# Altium PCB GD2.PcbDoc (part 2 of 2) (continued)
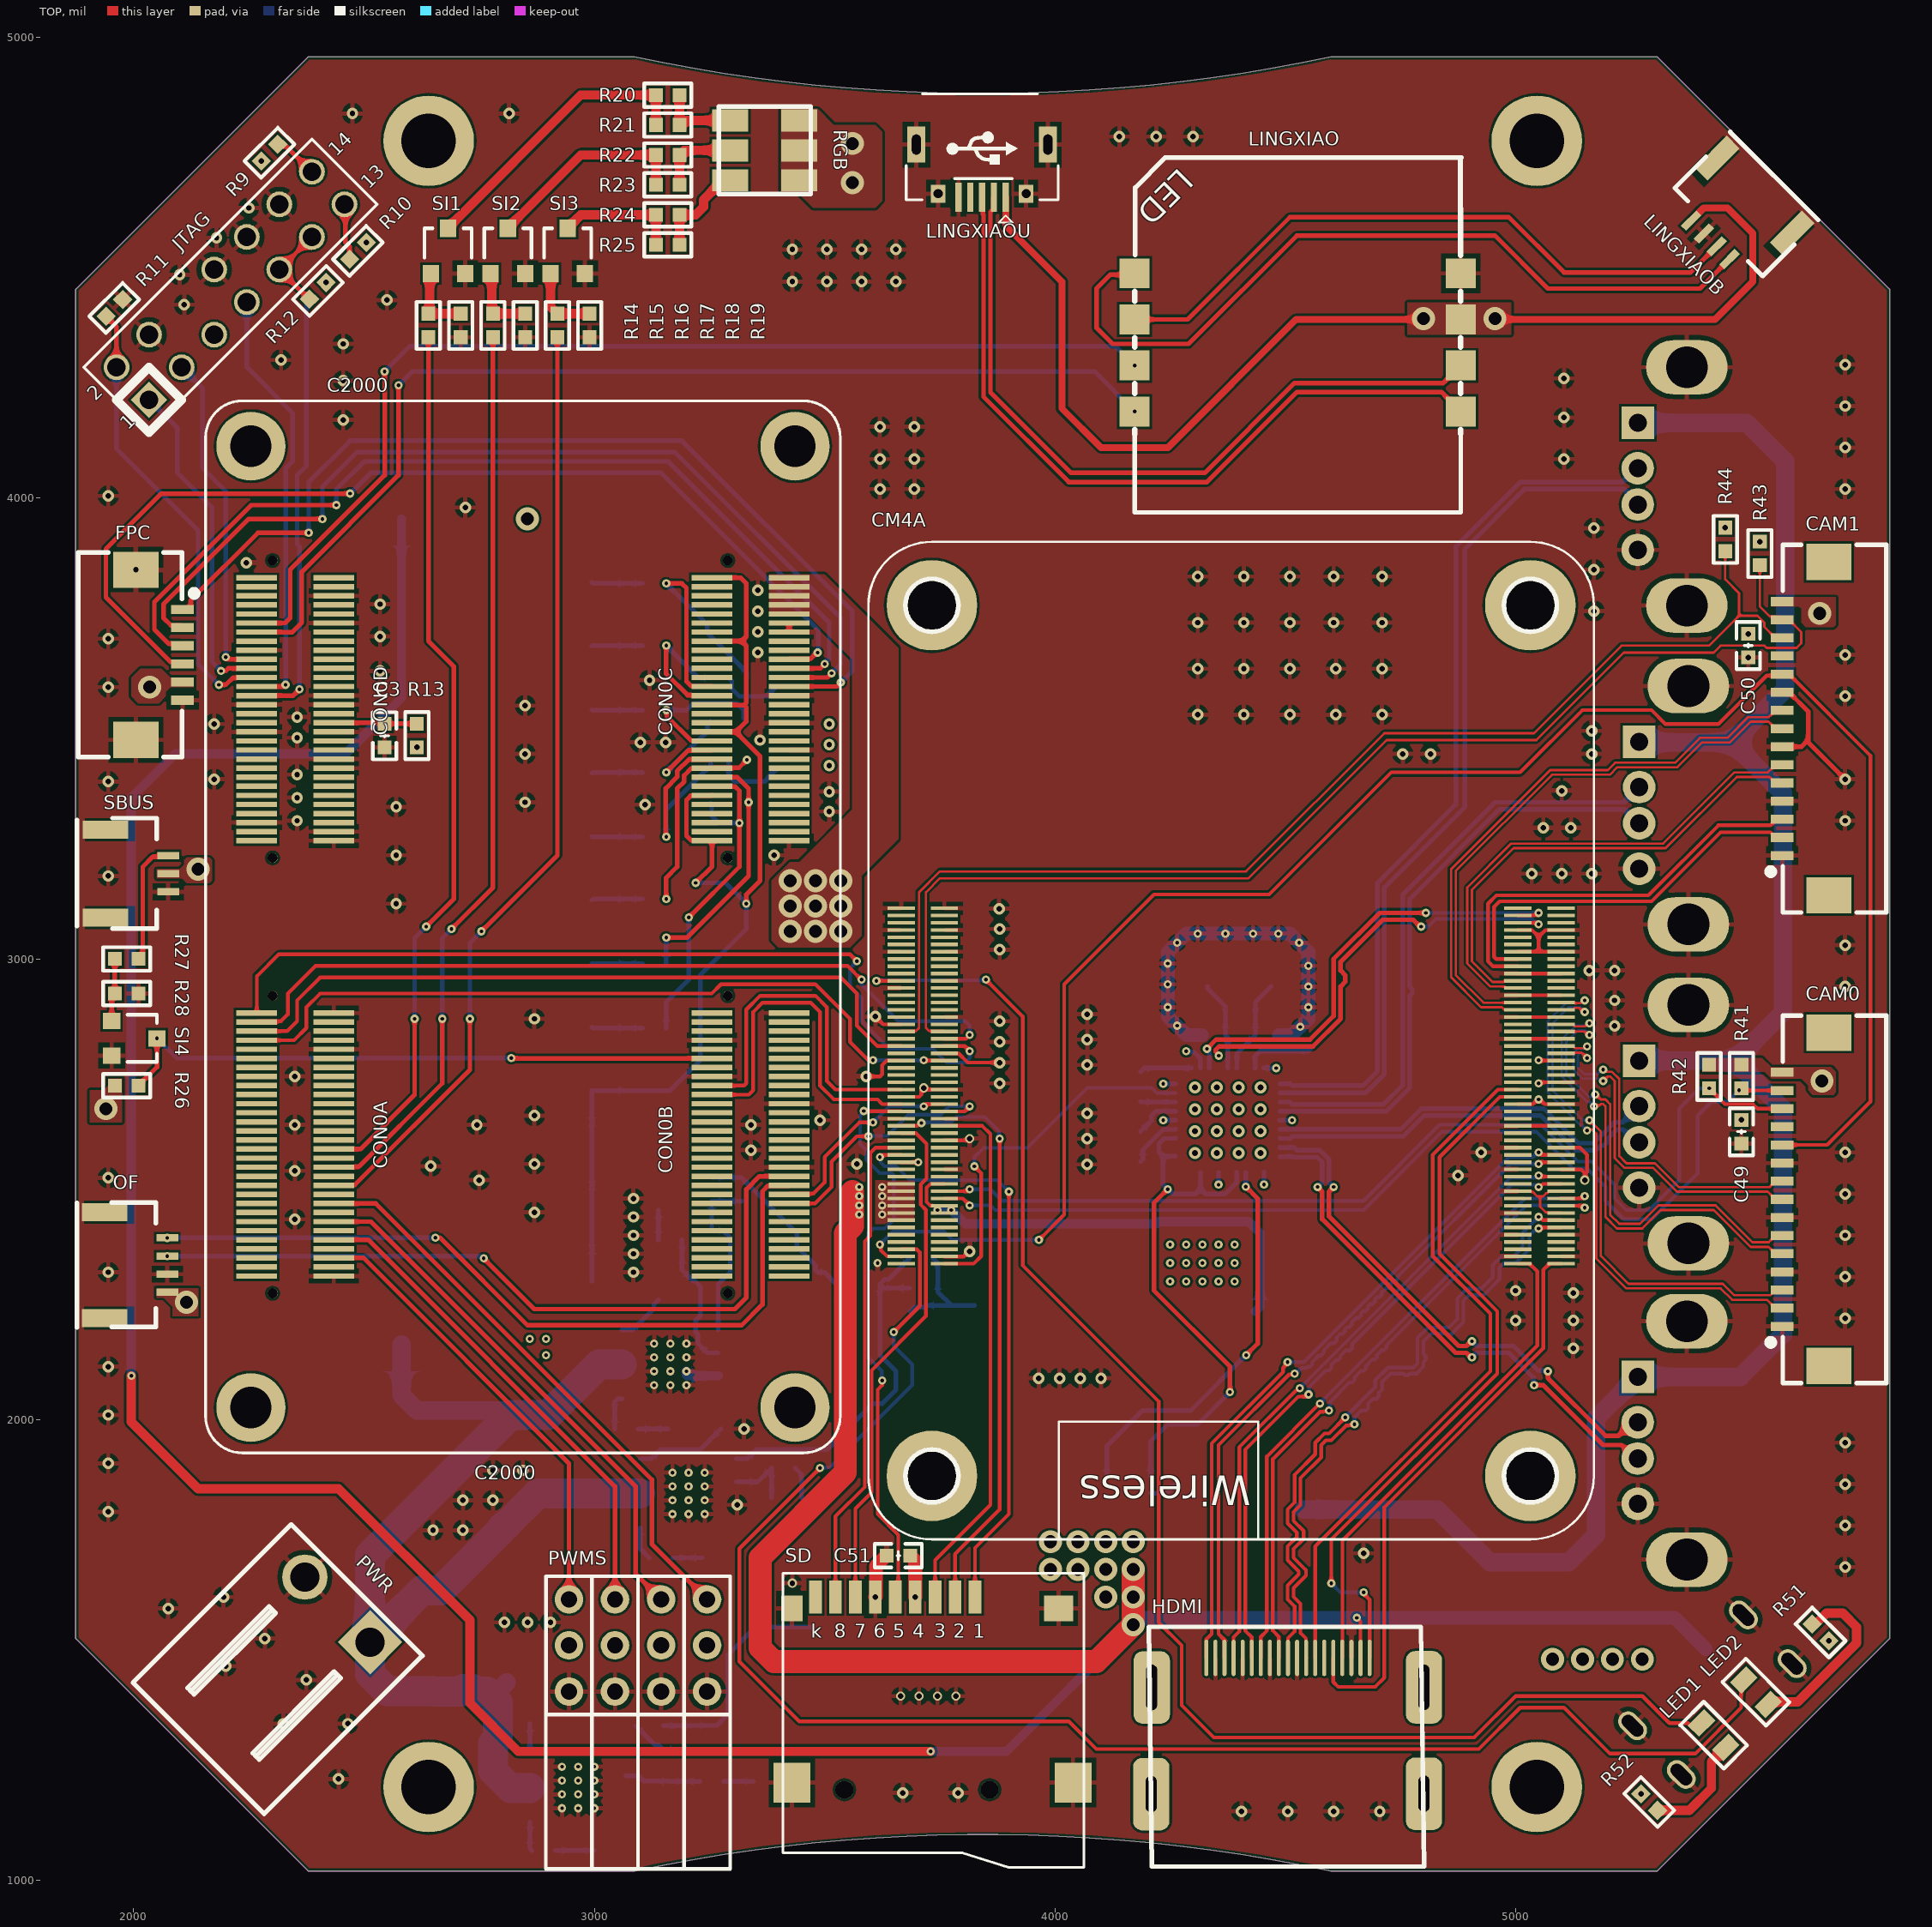
[diagram p0: TOP view]
## Nets (pads, with @x,y where several pads share a name; then routed paths per layer and width w, separated by ;. In a path a pad name is that pad's centre, name@x,y a point inside that pad or via, vN(x,y) a via of type N, cw(c..) or ccw(c..) an arc to the next point about the centre after c; other vN are vias at no path point) (continued)
  BOT w8: v2(3612.4,2952.6) 3613.6,2953.8 3848.8,2953.8 v2(3850,2955)
NetCM4A_95: CM4A.95 LED2.1 | length 3574.7
  TOP w8: v2(3490,1895) 3315,1720 3315,1475 3445,1345 4030,1345 4090,1285 4920,1285 5010,1375 5105,1375 5205,1275 5390,1275 5489.7,1374.7 5489.7,1429.7 LED2.1@5495,1435 ; v2(3650,2190) 3707,2247 3707,2363 3700.14,2369.86 CM4A.95@3666.26,2369.92 CM4A.95@3666.26,2369.92
  BOT w8: v2(3490,1895) 3491,1896 3511,1896 3690,2075 3690,2120 3650,2160 v2(3650,2190)
NetJTAG_13: JTAG.13 R10.2 | length 123.6
  TOP w10: JTAG.13@2457.84,4637.84 2460,4635.69 2460,4555 2468.81,4546.19 R10.2@2468.81,4518.81
NetJTAG_14: JTAG.14 R9.2 | length 98.7
  TOP w10: R9.2@2313.1,4768.09 2327.24,4768.09 2386.77,4708.55 JTAG.14@2387.13,4708.55
NetL1_1: L1.1 PSU1.8 R32.2
NetL2_1: L2.1 PSU2.8 R33.2
NetL3_1: L3.1 PSU3.8 R37.2
NetLED1_1: LED1.1 R52.2 | length 238.4
  TOP w20: R52.2@5308.09,1151.9 5376.9,1151.9 5425,1200 5425,1257.1 LED1.1@5456.45,1288.55
NetLED2_2: LED2.2 R51.1 | length 400.6
  TOP w20: LED2.2@5547.89,1382.11 5553.2,1387.41 5612.41,1387.41 5740,1515 5740,1550 5710,1580 5674.69,1580 5650.88,1556.19 R51.1@5643.81,1556.19
NetR14_1: R14.1 R15.2 SI1.1 | length 158.9
  TOP w20: SI1.1@2645,4487.4 2642.5,4484.9 2642.5,4403.1 R14.1@2640,4400.59 R15.2@2710,4400.59
NetR16_1: R16.1 R17.2 SI2.1 | length 158.9
  TOP w20: SI2.1@2775,4487.4 2777.5,4484.9 2777.5,4403.09 R16.1@2780,4400.59 R17.2@2850,4400.59
NetR18_1: R18.1 R19.2 SI3.1 | length 163
  TOP w20: SI3.1@2905,4487.4 2905,4415.59 R18.1@2920,4400.59 R19.2@2990,4400.59
NetR20_1: R20.1 R21.1 RGB.1 | length 179.1
  TOP w20: R20.1@3185,4875 R21.1@3185,4810 3195,4820 RGB.1@3295,4820
NetR20_2: R20.2 R21.2 SI1.3 | length 636.8
  TOP w20: SI1.3@2682.4,4585.82 2682.4,4586.81 2970.6,4875 R20.2@3133.82,4875 R21.2@3133.82,4810
NetR22_1: R22.1 R23.1 RGB.3 | length 179.1
  TOP w20: R23.1@3185,4680 R22.1@3185,4745 3195,4755 RGB.3@3295,4755
NetR22_2: R22.2 R23.2 SI2.3 | length 452.9
  TOP w20: SI2.3@2812.4,4585.82 2812.4,4586.81 2970.6,4745 R22.2@3133.82,4745 R23.2@3133.82,4680
NetR24_1: R24.1 R25.1 RGB.5 | length 215
  TOP w20: R24.1@3185,4550 R25.1@3185,4615 3220,4615 3237.35,4632.35 3237.35,4647.62 3279.72,4690 RGB.5@3295,4690
NetR24_2: R24.2 R25.2 SI3.3 | length 269.1
  TOP w20: SI3.3@2942.4,4585.82 2942.4,4586.81 2970.6,4615 R25.2@3133.82,4615 R24.2@3133.82,4550
NetR27_1: R27.1 R28.1 SI4.1 | length 137.9
  TOP w10: SI4.1@1952.4,2865 1952.4,2918.11 R28.1@1959.29,2925 R27.1@1959.29,3000
NetR27_2: R27.2 SBUS.3 | length 269
  TOP w10: R27.2@2010.47,3000 2020,3009.53 2020,3200 2041.5,3221.5 2072.13,3221.5 SBUS.3@2075,3224.37
NetR45_2: R45.2 USBHUNB4.35 | length 153.2
  BOT w10: USBHUNB4.35@4434.06,2763.19 4434.4,2763.54 4434.4,2789.4 4445,2800 4550.59,2800 R45.2@4555,2804.41
NetR46_2: R46.2 USBHUNB4.25 | length 76.5
  BOT w10: R46.2@4185.59,2690 4186.22,2689.37 USBHUNB4.25@4261.81,2689.37
NetR47_2: R47.2 USBHUNB4.28 | length 114.1
  BOT w10: R47.2@4185.59,2755 4193.77,2763.19 USBHUNB4.28@4296.26,2763.19
NetR48_2: R48.2 USBHUNB4.22 | length 117.4
  BOT w10: R48.2@4185.59,2560 4190.58,2565 4190.58,2585.58 4234.97,2629.97 4261.46,2629.97 USBHUNB4.22@4261.81,2630.32
NetR49_2: R49.2 USBHUNB4.24 | length 100.9
  BOT w10: R49.2@4185.59,2625 4209.73,2649.15 4209.73,2659.73 4219.69,2669.69 USBHUNB4.24@4261.81,2669.69
OCS1: AN.4 USBHUNB4.13 USBHUNB4.17 USBHUNB4.19 USBHUNB4.21 | length 1219.9
  TOP w10: v2(4244.8,2500.2) 4215,2470.39 4215,2280 4380,2115 v2(4380,2060)
  BOT w10: AN.4@4207.24,1877.4 4207.24,1952.24 4245,1990 4310,1990 v2(4380,2060) ; USBHUNB4.19@4261.81,2571.26 4261.46,2571.61 4234.61,2571.61 ; USBHUNB4.21@4261.81,2610.63 4261.46,2610.28 4236.5,2610.28 4225.61,2599.39 4225.61,2580.61 4234.61,2571.61 ; USBHUNB4.17@4315.94,2536.81 4315.94,2500.94 ; USBHUNB4.13@4394.69,2536.81 4394.34,2536.46 4394.34,2514.34 4370,2490 4326.89,2490 4315.94,2500.94 ; 4234.61,2571.61 4234.61,2510.39 4255,2490 4305,2490 4315.94,2500.94
PWM1: C2000.A18 PWMS.1 | length 1248.3
  TOP w10: C2000.A18@2434.65,2469.22 2525.78,2469.22 3125,1870 3125,1730 PWMS.1@3245,1610
PWM2: C2000.A14 PWMS.4 | length 1161.2
  TOP w10: C2000.A14@2434.65,2429.85 2515.15,2429.85 3090,1855 3090,1665 PWMS.4@3145,1610
PWM3: C2000.A10 PWMS.7 | length 1077.2
  TOP w10: C2000.A10@2434.65,2390.48 2509.52,2390.48 3045,1855 PWMS.7@3045,1610
PWM4: C2000.A6 PWMS.10 | length 990.1
  TOP w10: C2000.A6@2434.65,2351.11 2498.89,2351.11 2945,1905 PWMS.10@2945,1610
PWM_B: C2000.A30 R14.2 | length 1926.5
  TOP w10: C2000.A30@2434.65,2587.33 2492.33,2587.33 2610,2705 v2(2610,2870) ; v2(2635,3070) 2695,3130 2695,3635 2640,3690 R14.2@2640,4349.41
  BOT w10: v2(2610,2870) 2610,3045 v2(2635,3070)
PWM_G: C2000.A22 R18.2 | length 2068
  TOP w10: C2000.A22@2434.65,2508.59 2435.55,2509.49 2480.2,2509.49 2730,2759.29 v2(2730,2870) ; v2(2755,3060) 2920,3225 R18.2@2920,4349.41
  BOT w10: v2(2730,2870) 2730,3035 v2(2755,3060)
PWM_R: C2000.A26 R16.2 | length 1975.7
  TOP w10: C2000.A26@2434.65,2547.96 2435.55,2548.86 2488.86,2548.86 2670,2730 v2(2670,2870) ; v2(2690,3065) 2780,3155 R16.2@2780,4349.41
  BOT w10: v2(2670,2870) 2670,3045 v2(2690,3065)
PWR1: AN.3 USBHUNB4.12 | length 867.1
  TOP w10: v2(4414.37,2505.63) 4440,2480 4440,2165 v2(4415,2140)
  BOT w10: AN.3@4112.76,1877.4 4112.76,1942.76 4190,2020 4295,2020 v2(4415,2140) ; v2(4414.37,2505.63) USBHUNB4.12@4414.37,2536.81
PWR_IN: ADC.14 C4.2 C5.2 C6.2 C7.2 C8.2 C9.2 C19.2 C20.2 C21.2 C22.2 C23.2 C24.2 C34.2 C35.2 C36.2 C37.2 C38.2 C39.2 PSU1.2 PSU1.3 PSU2.2 PSU2.3 PSU3.2 PSU3.3 PWR.1 | length 2669.9
  BOT w40: ADC.14@2581.61,2163.23 2581.61,2053.39 2615,2020 2807.56,2020 2817.56,2010 ; 2790.61,1385.69 2790.61,1410.61 C21.2@2810,1430
  BOT w65: 2860,1200 2818.08,1200 2780,1238.08 2780,1297.54 2790.61,1308.15 2790.61,1385.69 2766.92,1409.38 2742.57,1409.38 2736.95,1415 2715,1415 2709.38,1409.38 2660.62,1409.38 2660,1410 2651.95,1410 2651.33,1410.62 2550.67,1410.62 2513.21,1448.08 PWR.1@2513.21,1516.79 ; 3060,2120 3010,2120 2900,2010 2817.56,2010 2513.21,1705.65 PWR.1@2513.21,1516.79 ; 3100,1840 2877.44,1840 2810.54,1773.09 2808.09,1773.09 2800,1765 2800,1762.56 2666.78,1629.33 2625.76,1629.33 PWR.1@2513.21,1516.79
RST: C3.2 C2000.D34 R13.1 | length 181.6
  TOP w10: C2000.D34@2434.65,3512.53 2542.47,3512.53 C3.2@2545,3510 2545.59,3510.59 R13.1@2615,3510.59
RXA: C2000.D13 LINGXIAO.5 | length 2354.4
  TOP w10: C2000.D13@2267.38,3709.38 2344.38,3709.38 2365,3730 2365,3840 2575,4050 v2(2575,4245)
  BOT w10: v2(2575,4245) 2605,4275 4086,4275 v2(4172.87,4188.13)
RXB: C2000.B41 CM4A.55 | length 777.8
  TOP w8: C2000.B41@3255.57,2705.44 3335.44,2705.44 3345,2715 3345,2885 3365,2905 3470,2905 3490,2885 3490,2725 3520,2695 3615,2695 3625.05,2684.95 3666.2,2684.95 CM4A.55@3666.26,2684.88
RXC: C2000.B22 OF.4 | length 1698.1
  TOP w10: v2(2655,2395) 2665,2395 2855,2205 3320,2205 3365,2250 3365,2495.4 3377.29,2507.69 3421.94,2507.69 C2000.B22@3422.84,2508.59
  BOT w10: v2(2073.1,2394.5) 2073.35,2394.75 2654.75,2394.75 v2(2655,2395)
RXD: C2000.B49 R26.1 SI4.3 | length 1342
  TOP w10: R26.1@2010.47,2725 2050.82,2765.36 v2(2050.82,2827.6) ; v2(2820,2785) 2820.82,2784.18 C2000.B49@3255.57,2784.18
  BOT w10: v2(2050.82,2827.6) 2093.42,2785 v2(2820,2785)
RXLING: LINGXIAO.8 LINGXIAOB.4 | length 1741.9
  TOP w10: LINGXIAO.8@4172.87,4488.13 4169.75,4485 4120,4485 4090,4455 4090,4370 4125,4335 4290,4335 4525,4570 4955,4570 5070,4455 5400.25,4455 LINGXIAOB.4@5464.29,4519.04
SCL: C2000.B20 CM4A.56 | length 450.5
  TOP w8: C2000.B20@3422.84,2488.91 3424.74,2490.8 3475.8,2490.8 3500,2515 3500,2570 3575,2645 v2(3605,2645) ; v2(3715,2680) 3717.71,2680 3722.53,2684.82 3759.9,2684.82 CM4A.56@3759.96,2684.88
  BOT w8: v2(3605,2645) 3640,2680 v2(3715,2680)
SCL0: CAM0.13 CM4A.80 R42.1 | length 2212
  TOP w8: CM4A.80@3759.96,2495.91 3808.2,2495.91 3812.29,2500 v2(3815,2500) ; v2(5420,2719.41) 5454.41,2685 5515,2685 5524.96,2675.04 CAM0.13@5578.62,2675.04
  BOT w8: v2(3815,2500) 3860,2500 3885,2475 4670,2475 4835,2640 5055,2640 5135,2560 5165,2560 5215,2510 5215,2480 5240,2455 5290,2455 5355,2520 5355,2675 5399,2719 5419.6,2719 v2(5420,2719.41)
SCL1: CAM1.13 CM4A.35 R44.1 | length 2636.9
  TOP w5: CM4A.35@3666.26,2842.36 3667.7,2843.8 3698.8,2843.8 3705,2850 3705,3145 3750,3190 4415,3190 4715,3490 5040,3490 5230,3680 5420,3680 5485,3745 ; R44.1@5455,3885 5455,3823.75 5485,3793.75 5485,3745 ; CAM1.13@5578.62,3696.85 5563.86,3696.85 5540,3720.71 5540,3730 5525,3745 5485,3745
SD_CLK: CM4A.57 SD.5 | length 1260.2
  TOP w8: v2(3585,2670) 3585.8,2669.2 3666.2,2669.2 CM4A.57@3666.26,2669.13 ; v2(3625,2085) 3625,2075 3615,2065 3615,1795 3660,1750 3660,1621.61 SD.5@3653.39,1615
  BOT w8: v2(3585,2670) 3585,2668.31 3577,2660.31 3577,2598 3590,2585 3590,2564.54 3619.54,2535 3645.31,2535 3650,2530.31 3650,2435 3630,2415 3605.31,2415 3595.31,2405 3595.31,2135 3600,2130.31 3600,2130 3624,2106 3624,2086 v2(3625,2085)
SD_CMD: CM4A.62 SD.3 | length 1162.1
  TOP w8: SD.3@3740,1615 3740,1695 3860,1815 3860,2620 3842.36,2637.64 CM4A.62@3759.96,2637.64
SD_DAT0: CM4A.63 SD.7 | length 1121.9
  TOP w8: SD.7@3566.77,1615 3566.77,1806.77 3602,1842 3602,2107 3720,2225 3720,2455.54 3708.43,2467.11 3708.43,2510.3 3721.3,2523.17 3721.3,2598.7 3698.17,2621.83 3666.32,2621.83 CM4A.63@3666.26,2621.89
SD_DAT1: CM4A.67 SD.8 | length 1067.3
  TOP w8: SD.8@3523.46,1615 3523.46,1790.17 3587.12,1853.83 3587.12,2387.12 3599,2399 3599,2579 3610.39,2590.39 CM4A.67@3666.26,2590.39
SD_DAT2: CM4A.69 SD.1 | length 1275.5
  TOP w8: v2(3620,2570) 3622.71,2570 3627.29,2574.58 3666.2,2574.58 CM4A.69@3666.26,2574.65 ; SD.1@3826.61,1615 3826.61,1721.61 3900,1795 v2(3900,2495)
  BOT w8: v2(3620,2570) 3621.85,2568.15 3621.85,2558.15 3630,2550 3655,2550 3685,2520 3875,2520 v2(3900,2495)
SD_DAT3: CM4A.61 SD.2 | length 1285.1
  TOP w8: CM4A.61@3666.26,2637.64 3666.32,2637.7 3700.99,2637.7 3707.29,2644 v2(3710,2644) ; SD.2@3783.31,1615 3783.31,1708.31 3880,1805 v2(3880,2610)
  BOT w8: v2(3710,2644) 3711,2645 3774.35,2645 3786.35,2657 3848,2657 3878.09,2626.91 3878.09,2611.91 v2(3880,2610)
SDA: C2000.B18 CM4A.58 | length 571.2
  TOP w8: C2000.B18@3422.84,2469.22 3479.22,2469.22 3515,2505 3515,2560 3570,2615 v2(3595,2615) ; CM4A.58@3759.96,2669.13 3804.13,2669.13 v2(3815,2680)
  BOT w8: v2(3595,2615) 3596,2616 3636,2616 3682,2662 3752,2662 3770,2680 v2(3815,2680)
SDA0: CAM0.14 CM4A.82 R41.1 | length 2185.2
  TOP w8: CM4A.82@3759.96,2480.16 3799.84,2480.16 v2(3815,2465) ; v2(5485,2715) 5485.59,2714.41 CAM0.14@5578.62,2714.41
  BOT w8: v2(3815,2465) 3860,2465 3870,2455 4670,2455 4840,2625 5045,2625 5125,2545 5155,2545 5195,2505 5195,2475 5235,2435 5295,2435 5395,2535 5395,2660 5425,2690 5460,2690 v2(5485,2715)
SDA1: CAM1.14 CM4A.36 R43.1 | length 2692.9
  TOP w5: CM4A.36@3759.96,2842.36 3758.52,2843.8 3726.2,2843.8 3720,2850 3720,3145 3750,3175 4420,3175 4720,3475 5045,3475 5235,3665 5430,3665 5445,3680 5540,3680 5545,3675 5610,3675 5620,3685 5620,3709.61 5593.39,3736.22 CAM1.14@5578.62,3736.22 5571.28,3743.56 5551.44,3743.56 5530,3765 R43.1@5530,3854.41
SIMO: C2000.A53 CM4A.44 | length 1667.1
  TOP w8: C2000.A53@2267.38,2823.55 2348.55,2823.55 2375,2850 2375,2895 2405,2925 3255,2925 3275,2945 3480,2945 3555,2870 3555,2820 3595,2780 v2(3605,2780) ; v2(3715,2780) 3715.63,2779.37 CM4A.44@3759.96,2779.37
  BOT w8: v2(3605,2780) v2(3715,2780)
SOMI: C2000.A59 CM4A.40 | length 1905.9
  TOP w8: C2000.A59@2267.38,2882.61 2267.38,2962.38 2315,3010 3555,3010 v2(3570,2995) ; CM4A.40@3759.96,2810.87 3804.13,2810.87 v2(3815,2800)
  BOT w8: v2(3570,2995) 3555,2980 3555,2940 3580,2915 3580,2865 3640,2805 3735,2805 3765,2775 3805,2775 3815,2785 v2(3815,2800)
STE: C2000.A55 CM4A.39 | length 1576.4
  TOP w8: C2000.A55@2267.38,2843.24 2333.24,2843.24 2355,2865 2355,2910 2405,2960 3535,2960 3570,2925 3570,2855 3614.13,2810.87 CM4A.39@3666.26,2810.87
TCK: C2000.D27 JTAG.9 JTAG.11 R12.2 | length 1236.4
  TOP w10: C2000.D27@2267.38,3571.58 2346.58,3571.58 v2(2360,3585) ; R12.2@2381.9,4431.91 2380.93,4431.91 JTAG.9@2316.42,4496.42 JTAG.11@2387.13,4567.13
  BOT w10: JTAG.9@2316.42,4496.42 2375,4437.84 2375,4070 2355,4050 2355,3900 2360,3895 v2(2360,3585)
TDI: C2000.D19 JTAG.3 | length 738.2
  TOP w10: v2(2200,3655) 2204.68,3650.32 C2000.D19@2267.38,3650.32
  BOT w10: JTAG.3@2104.29,4284.29 2150,4238.58 2150,4065 2200,4015 v2(2200,3655)
TDO: C2000.D25 JTAG.7 | length 942.2
  TOP w10: C2000.D25@2267.38,3591.27 2326.27,3591.27 v2(2330,3595)
  BOT w10: JTAG.7@2245.71,4425.71 2245.71,4284.29 2345,4185 2345,4080 2330,4065 v2(2330,3595)
TMS: C2000.D21 JTAG.1 | length 733.1
  TOP w10: v2(2190,3625) 2200,3625 2205.64,3630.64 C2000.D21@2267.38,3630.64
  BOT w10: JTAG.1@2033.58,4213.58 2095,4152.16 2095,4055 2170,3980 2170,3645 v2(2190,3625)
TRST: C2000.D23 JTAG.2 R11.2 | length 990.5
  TOP w10: R11.2@1940,4395 1962.87,4372.13 JTAG.2@1962.87,4284.29 ; v2(2185,3595) 2200,3595 2215.05,3610.05 2266.48,3610.05 C2000.D23@2267.38,3610.95
  BOT w10: JTAG.2@1962.87,4284.29 1962.87,4107.13 2140,3930 2140,3640 v2(2185,3595)
TXA: C2000.D11 LINGXIAO.6 | length 2365.1
  TOP w10: C2000.D11@2267.38,3729.06 2329.06,3729.06 2340,3740 2340,3845 2545,4050 v2(2545,4275)
  BOT w10: v2(2545,4275) 2600,4330 4131,4330 v2(4172.87,4288.13)
TXB: C2000.B43 CM4A.51 | length 763.2
  TOP w8: C2000.B43@3255.57,2725.13 3325.13,2725.13 3330,2730 3330,2890 3360,2920 3480,2920 3505,2895 3505,2735 3523.62,2716.38 CM4A.51@3666.26,2716.38
TXC: C2000.B24 OF.3 | length 1654.5
  TOP w10: v2(2760,2350) 2870,2240 3305,2240 3330,2265 3330,2500 3358.28,2528.28 C2000.B24@3422.84,2528.28
  BOT w10: v2(2073.1,2355.13) 2752.71,2355.13 2757.84,2350 v2(2760,2350)
TXLING: LINGXIAO.7 LINGXIAOB.3 | length 1428.7
  TOP w10: LINGXIAO.7@4172.87,4388.13 4288.13,4388.13 4510,4610 4985,4610 5105,4490 5379.57,4490 LINGXIAOB.3@5436.45,4546.88
USB0_N: CM4A.103 USBHUNB4.30 | length 1006.4
  TOP w8: CM4A.103@5004.84,3094.33 5044.33,3094.33 v2(5050,3100)
  TOP w10: v2(4330,2805) 4350,2825 4553.79,2825 4605,2876.21 4605,3000 4705,3100 v2(4805,3100)
  BOT w8: v2(4805,3100) v2(5050,3100)
  BOT w10: v2(4330,2805) 4330,2802.84 4335.28,2797.55 4335.28,2763.54 USBHUNB4.30@4335.63,2763.19
USB0_P: CM4A.105 USBHUNB4.31 | length 981.3
  TOP w8: CM4A.105@5004.84,3078.58 5046.42,3078.58 v2(5050,3075)
  TOP w10: v2@4357,2791.37 v2(4355.47,2789.84) 4355.47,2792.01 4349,2798.48 4349,2802.79 4356.21,2810 4560,2810 4620,2870 4620,2940 4630,2950 4630,2965 4620,2975 4620,2993.79 4711.21,3085 4777.84,3085 4792.84,3070 v2(4795,3070)
  BOT w8: v2(4795,3070) 4810,3070 4827,3087 5035.29,3087 5047.29,3075 v2(5050,3075)
VBAT: AN.6 C55.2 C56.2 C57.2 C58.2 CT4.1 USB0.1 USB1.1 USB2.1 USB3.1 | length 4279.6
  BOT w40: CT4.1@4540,1805 4830,1805 4945,1690 5115,1690 5175,1750 5175,2002.8 USB3.1@5265,2092.8 5487.8,2092.8 5580,2185 5580,2675 5475.87,2779.13 ; USB0.1@5265,4163.43 5501.57,4163.43 5585,4080 5585,3585 5470,3470 ; USB2.1@5268.31,2779.13 5475.87,2779.13 ; USB1.1@5268.31,3471.46 5269.76,3470 5470,3470 ; 5470,3470 5580,3360 5580,2883.27 5475.87,2779.13
pads on no net: "C2000. " C2000.A1 C2000.A3 C2000.A4 C2000.A5 C2000.A7 C2000.A8 C2000.A9 C2000.A11 C2000.A12 C2000.A13 C2000.A15 C2000.A16 C2000.A17 C2000.A19 C2000.A20 C2000.A21 C2000.A23 C2000.A24 C2000.A25 C2000.A27 C2000.A28 C2000.A29 C2000.A31 C2000.A32 C2000.A33 C2000.A34 C2000.A35 C2000.A36 C2000.A37 C2000.A38 C2000.A39 C2000.A40 C2000.A41 C2000.A42 C2000.A43 C2000.A44 C2000.A45 C2000.A46 C2000.A47 C2000.A48 C2000.A49 C2000.A50 C2000.A51 C2000.A54 C2000.A56 C2000.A58 C2000.B1 C2000.B2 C2000.B3 C2000.B4 C2000.B5 C2000.B6 C2000.B7 C2000.B8 C2000.B9 C2000.B10 C2000.B11 C2000.B12 C2000.B13 C2000.B14 C2000.B15 C2000.B16 C2000.B17 C2000.B19 C2000.B21 C2000.B23 C2000.B25 C2000.B27 C2000.B28 C2000.B29 C2000.B30 C2000.B31 C2000.B32 C2000.B33 C2000.B34 C2000.B35 C2000.B36 C2000.B37 C2000.B38 C2000.B39 C2000.B42 C2000.B44 C2000.B46 C2000.B47 C2000.B48 C2000.B50 C2000.B51 C2000.B52 C2000.B54 C2000.B55 C2000.B56 C2000.B57 C2000.B58 C2000.B59 C2000.C3 C2000.C5 C2000.C7 C2000.C9 C2000.C11 C2000.C13 C2000.C16 C2000.C17 C2000.C18 C2000.C19 C2000.C21 C2000.C23 C2000.C30 C2000.C31 C2000.C32 C2000.C33 C2000.C36 C2000.C38 C2000.C42 C2000.C44 C2000.C46 C2000.C48 C2000.C50 C2000.C51 C2000.C52 C2000.C53 C2000.C54 C2000.C55 C2000.C56 C2000.C57 C2000.C58 C2000.D1 C2000.D2 C2000.D3 C2000.D4 C2000.D5 C2000.D7 C2000.D8 C2000.D9 C2000.D10 C2000.D14 C2000.D15 C2000.D16 C2000.D18 C2000.D20 C2000.D22 C2000.D24 C2000.D26 C2000.D31 C2000.D32 C2000.D33 C2000.D37 C2000.D39 C2000.D40 C2000.D41 C2000.D43 C2000.D45 C2000.D46 C2000.D47 C2000.D48 C2000.D49 C2000.D50 C2000.D51 C2000.D52 C2000.D53 C2000.D54 C2000.D56 C2000.D57 C2000.D59 CAM0.0 CAM0.12 CAM1.0 CAM1.12 CM4A.3 CM4A.4 CM4A.5 CM4A.6 CM4A.9 CM4A.10 CM4A.11 CM4A.12 CM4A.15 CM4A.16 CM4A.17 CM4A.18 CM4A.19 CM4A.20 CM4A.24 CM4A.25 CM4A.26 CM4A.27 CM4A.28 CM4A.29 CM4A.30 CM4A.31 CM4A.34 CM4A.37 CM4A.41 CM4A.45 CM4A.46 CM4A.47 CM4A.48 CM4A.49 CM4A.50 CM4A.54 CM4A.64 CM4A.68 CM4A.70 CM4A.72 CM4A.73 CM4A.75 CM4A.76 CM4A.88 CM4A.89 CM4A.90 CM4A.91 CM4A.92 CM4A.93 CM4A.94 CM4A.96 CM4A.99 CM4A.101 CM4A.102 CM4A.104 CM4A.106 CM4A.109 CM4A.110 CM4A.111 CM4A.112 CM4A.116 CM4A.118 CM4A.122 CM4A.124 CM4A.133 CM4A.135 CM4A.139 CM4A.141 CM4A.143 CM4A.145 CM4A.146 CM4A.147 CM4A.148 CM4A.149 CM4A.152 CM4A.154 CM4A.157 CM4A.158 CM4A.159 CM4A.160 CM4A.163 CM4A.164 CM4A.165 CM4A.166 CM4A.169 CM4A.171 CM4A.175 CM4A.177 CM4A.181 CM4A.183 CM4A.187 CM4A.189 CM4A.193 CM4A.194 CM4A.195 CM4A.196 HDMI.0 HDMI.14 LINGXIAOB.5 LINGXIAOU.4 OF.5 PSU1.10 PSU1.11 PSU2.10 PSU2.11 PSU3.10 PSU3.11 PWMS.2 PWMS.5 PWMS.8 PWMS.11 SBUS.0 SD.0 SD.9 TYPE-C.A5 TYPE-C.B5 USBHUNB4.11 USBHUNB4.14 USBHUNB4.16 USBHUNB4.18 USBHUNB4.20 USBHUNB4.34 USBHUNB4.37
copper on no net:
  other v4: 4304.13,2579.13 4351.38,2579.13 4398.62,2579.13 4445.87,2579.13 4304.13,2626.38 4351.38,2626.38 4398.62,2626.38 4445.87,2626.38 4304.13,2673.62 4351.38,2673.62 4398.62,2673.62 4445.87,2673.62 4304.13,2720.87 4351.38,2720.87 4398.62,2720.87 4445.87,2720.87

## Polygon pours and split planes (outlines as drawn)
GND on BOT "GND_L04_P034" (solid, remove dead copper, pour order 34): 6320,5300 1245,5300 1460,5085 1460,825 6120,825 6175,880
A3.3V on BOT "A3.3V_L04_P026" (solid, remove dead copper, pour order 26): 3380,3605 3435,3605 3500,3540 3540,3540 3545,3535 3545,3400 3540,3395 3380,3395 3380,3425 3465,3425 3475,3435 3475,3515 3425,3565 3415,3575 3380,3575
B5V on BOT "B5V_L04_P016" (solid, remove dead copper, pour order 16): 3635,2435 3635,2515 3560,2515 3560,2435
A5V on BOT "A5V_L04_P014" (solid, remove dead copper, pour order 14): 5360,1405 5315,1450 5315,1525 5030,1525 5030,1435 5290,1435 5340,1385
B5V on BOT "B5V_L04_P013" (solid, remove dead copper, pour order 13): 4155,1820 4155,1785 4175,1765 4200,1765 4215,1750 4215,1555 4160,1500 4040,1500 4040,1570 4025,1585 3970,1585 3955,1600 3955,1805 3970,1820
A5V on BOT "A5V_L04_P012" (solid, remove dead copper, pour order 12): 3565,2820 3565,2890 3515,2940 3515,3000 3570,3055 3570,3175 3535,3210 3425,3210 3385,3170 3385,2945 3510,2820
A3.3V on BOT "A3.3V_L04_P011" (solid, remove dead copper, pour order 11): 4285,2270 4275,2280 4240,2280 4225,2295 4225,2395 4240,2410 4395,2410 4415,2390 4415,2290 4405,2280 4380,2280 4365,2265 4365,2210 4285,2210
VBAT on BOT "VBAT_L04_P010" (solid, remove dead copper, pour order 10): 4190,1815 4190,1785 4565,1785 4565,1815
A5 on BOT "A5_L04_P008" (solid, remove dead copper, pour order 8): 3495,2160 3495,2355 3520,2380 3520,2625 3510,2635 3510,2785 3565,2785 3565,2620 3550,2605 3550,2355 3565,2340 3565,2160
NetL1_1 on BOT "NETL1_1_L04_P007" (solid, remove dead copper, pour order 7): 3240,1960 3190,1960 3190,2010 3245,2065 3300,2065 3315,2080 3315,2290 3365,2340 3435,2340 3435,2135 3420,2120 3410,2120 3355,2065 3355,2045 3315,2005 3255,2005 3250,2000 3250,1975
A3.3V on BOT "A3.3V_L04_P006" (solid, remove dead copper, pour order 6): 3735,2210 4365,2210 4365,2260 4215,2260 4195,2240 3945,2240 3915,2270 3915,2285 3735,2285
NetL3_1 on BOT "NETL3_1_L04_P005" (solid, remove dead copper, pour order 5): 3360,1745 3350,1755 3350,1770 3340,1780 3280,1780 3270,1770 3270,1685 3865,1685 3925,1745 3925,2145 3915,2155 3735,2155 3735,2090 3555,1910 3555,1825 3475,1745
B5 on BOT "B5_L04_P004" (solid, remove dead copper, pour order 4): 3380,1515 3840,1515 3855,1500 4000,1500 4005,1505 4005,1550 4000,1555 3855,1555 3845,1545 3590,1545 3560,1575 3560,1585 3380,1585
NetL2_1 on BOT "NETL2_1_L04_P002" (solid, remove dead copper, pour order 2): 3190,1130 3130,1130 3115,1145 3040,1145 3025,1130 3025,1115 3035,1105 3035,1020 3585,1020 3610,1045 3610,1410 3560,1460 3380,1460 3345,1425 3345,1375 3440,1280 3440,1190 3415,1165 3225,1165
GND on TOP "GND_L01_P032" (solid, remove dead copper, pour order 32): 6140,5145 6085,5090 1565,5090 1565,895 1685,775 1720,810 6205,810
A5V on TOP "A5V_L01_P017" (solid, remove dead copper, pour order 17): 3380,3835 3380,3745 3465,3745 3560,3650 3560,3325 3445,3210 3425,3210 3385,3170 3385,3040 3400,3025 3555,3025 3580,3050 3580,3180 3660,3260 3660,3675 3500,3835 3455,3835
A3.3V on TOP "A3.3V_L01_P025" (solid, remove dead copper, pour order 25): 5405,2785 5535,2785 5555,2765 5685,2765 5695,2755 5695,2710 5690,2705 5645,2705 5635,2715 5635,2725 5620,2740 5555,2740 5540,2755 5405,2755
A3.3V on TOP "A3.3V_L01_P024" (solid, remove dead copper, pour order 24): 5555,3785 5695,3785 5695,3725 5690,3720 5630,3720 5620,3730 5620,3760 5615,3765 5555,3765
A5V on TOP "A5V_L01_P023" (solid, remove dead copper, pour order 23): 4765,4425 4990,4425 4990,4355 4765,4355
A5V on TOP "A5V_L01_P022" (solid, remove dead copper, pour order 22): 3405,4845 3485,4845 3520,4810 3610,4810 3625,4795 3625,4645 3610,4630 3475,4630 3440,4665 3405,4665
A5V on TOP "A5V_L01_P021" (solid, remove dead copper, pour order 21): 2130,3610 2080,3610 2060,3630 2015,3630 1995,3610 1995,3570 2010,3555 2055,3555 2070,3570 2070,3580 2080,3590 2130,3590
A5V on TOP "A5V_L01_P020" (solid, remove dead copper, pour order 20): 2050,3195 2100,3195 2110,3205 2110,3215 2115,3220 2165,3220 2170,3215 2170,3170 2165,3165 2115,3165 2105,3175 2050,3175
A5V on TOP "A5V_L01_P019" (solid, remove dead copper, pour order 19): 1975,2740 1975,2645 1905,2645 1905,2715 1935,2715 1945,2725 1945,2740
A5V on TOP "A5V_L01_P018" (solid, remove dead copper, pour order 18): 2050,2285 2140,2285 2140,2225 2085,2225 2085,2245 2065,2265 2050,2265
B5V on TOP "B5V_L01_P015" (solid, remove dead copper, pour order 15): 3695,2520 3695,2430 3640,2430 3635,2425 3610,2425 3610,2520
GND on GND (split plane): 5791.59,4444.86 5791.59,1533.45 5298.89,1040.75 4600,1040.75 4587.29,1043.47 4534.8,1053.91 4482.16,1063.58 4429.39,1072.49 4376.5,1080.64 4323.49,1088.01 4270.38,1094.61 4217.18,1100.43 4163.9,1105.48 4110.55,1109.76 4057.14,1113.26 4003.69,1115.98 3950.21,1117.93 3896.7,1119.1 3843.19,1119.49 3789.67,1119.1 3736.16,1117.93 3682.68,1115.98 3629.23,1113.26 3575.82,1109.76 3522.48,1105.48 3469.2,1100.43 3416,1094.61 3362.89,1088.01 3309.88,1080.64 3256.98,1072.49 3204.21,1063.58 3151.57,1053.91 3099.08,1043.47 3086.38,1040.75 2387.48,1040.75 1894.78,1533.45 1894.78,4444.86 2387.48,4937.56 3086.38,4937.56 3099.08,4934.84 3151.57,4924.4 3204.21,4914.72 3256.98,4905.81 3309.88,4897.67 3362.89,4890.3 3416,4883.7 3469.2,4877.87 3522.48,4872.82 3575.82,4868.55 3629.23,4865.05 3682.68,4862.32 3736.16,4860.38 3789.67,4859.21 3843.19,4858.82 3896.7,4859.21 3950.21,4860.38 4003.69,4862.32 4057.14,4865.05 4110.55,4868.55 4163.9,4872.82 4217.18,4877.87 4270.38,4883.7 4323.49,4890.3 4376.5,4897.67 4429.39,4905.81 4482.16,4914.72 4534.8,4924.4 4587.29,4934.84 4600,4937.56 5298.89,4937.56
A5V on PWR (split plane): 4066.4,4351.4 4068.05,4350.29 4070,4349.9 4615,4349.9 4616.95,4350.29 4618.6,4351.4 4777.11,4509.9 4952.89,4509.9 5019.9,4442.89 5019.9,4252.11 4841.4,4073.6 4840.29,4071.95 4839.9,4070 4839.9,1770 4840.29,1768.05 4841.4,1766.4 4991.4,1616.4 4993.05,1615.29 4995,1614.9 5304.45,1614.9 5344.9,1574.45 5344.9,1443.8 5301.2,1400.1 4822.11,1400.1 4665.1,1557.11 4665.1,3445 4664.71,3446.95 4663.6,3448.6 4423.6,3688.6 4421.95,3689.71 4420,3690.1 4270,3690.1 4268.05,3689.71 4266.4,3688.6 3567.89,2990.1 2375,2990.1 2373.05,2989.71 2371.4,2988.6 2226.4,2843.6 2225.29,2841.95 2224.9,2840 2224.9,2162.11 2142.89,2080.1 1894.78,2080.1 1894.78,3734.9 2112.89,3734.9 2259.9,3587.89 2259.9,3340 2260.29,3338.05 2261.4,3336.4 2396.4,3201.4 2398.05,3200.29 2400,3199.9 3325,3199.9 3326.95,3200.29 3328.6,3201.4 3392.11,3264.9 3543.15,3264.9 3545.1,3265.29 3546.75,3266.4 3633.6,3353.25 3634.71,3354.9 3635.1,3356.85 3635.1,3665 3634.71,3666.95 3633.6,3668.6 3485.1,3817.11 3485.1,3895 3484.71,3896.95 3483.6,3898.6 3481.95,3899.71 3480,3900.1 2795.1,3900.1 2795.1,4024.9 3480,4024.9 3481.95,4025.29 3483.6,4026.4 3503.6,4046.4 3504.71,4048.05 3505.1,4050 3505.1,4792.89 3522.11,4809.9 3607.89,4809.9
A3.3V on PWR (split plane): 162 vertices, not listed, extent 1894.78,1040.75 5791.59,4937.56

## Keep-outs
Keep-Out Layer:
  the board outline again, w0.5

## Other copper
PWR (plane layer: these items are gaps in the copper):
  lines w10: 5201.56,1020.65 5307.21,1020.65 ; 1874.68,2075 2145,2075 2230,2160 2230,2840 2375,2985 3570,2985 4270,3685 4420,3685 4660,3445 4660,1555 4820,1395 5303.31,1395 5350,1441.69 5350,1576.56 5306.56,1620 4995,1620 4845,1770 4845,4070 5025,4250 5025,4445 4955,4515 4775,4515 4615,4355 4070,4355 3610,4815 3520,4815 3500,4795 3500,4050 3480,4030 2790,4030 2790,3895 3480,3895 3480,3815 3630,3665 3630,3356.85 3543.15,3270 3390,3270 3325,3205 2400,3205 2265,3340 2265,3590 2115,3740 1874.68,3740 1874.68,2075

## Silkscreen, mask and mechanical layers (free items; w line width, h text height)
Top Overlay:
  circle w10: c3732.8,3767.56 r57.48
  circle w10: c5032.01,3767.56 r57.48
  circle w10: c5032.01,1877.8 r57.48
  circle w10: c3732.8,1877.8 r57.48
Bottom Overlay:
  lines w10: 2957.76,2163.23 1879.09,2163.23 1875.43,2166.89 1875.43,3954.57 2957.76,3954.57
  text "EDITOR : LIANGSHUO" at 4840,4230 h60
  text "DATE : 20220310" at 4840,4135 h60
  text "USED : GRADUATION" at 4840,4040 h60
  text "VERSION : 2.0.0" at 4840,3945 h60
  text "ADCIN HUB" at 2065,2185 h200 r270

## Text inside footprints (layer, text, board x,y; h text height)
C2000: Top Overlay "CON0D" at 2551.31,3484.61 h30 r90; Top Overlay "CON0C" at 3170.01,3484.61 h30 r90; Top Overlay "CON0A" at 2551.31,2544.61 h30 r90; Top Overlay "CON0B" at 3170.01,2534.61 h30 r90; Mechanical 8 "B35" at 3241.75,2614.65 h20 r270; Mechanical 8 "B16" at 3380.9,2441.34 h20 r270; Mechanical 8 "A1" at 2277.05,2293.91 h20 r270; Mechanical 8 "C46" at 3435.77,3369.54 h20 r270; Mechanical 8 "C44" at 3421.26,3407.24 h20 r270; Mechanical 8 "C52" at 3424.65,3326.52 h20 r270; Mechanical 8 "C48" at 3416.43,3361.8 h20 r270; Mechanical 8 "A58" at 2423.21,2827.37 h20 r270; Mechanical 8 "A36" at 2422.49,2599.19 h20 r270; Mechanical 8 "B6" at 3440.85,2335.26 h20 r270; Mechanical 8 "A38" at 2444,2620.95 h20 r270; Mechanical 8 "A40" at 2424.91,2639.06 h20 r270; Mechanical 8 "A42" at 2446.9,2660.82 h20 r270; Mechanical 8 "A44" at 2423.45,2675.81 h20 r270; Mechanical 8 "A46" at 2452.22,2714.72 h20 r270; Mechanical 8 "A48" at 2427.33,2718.6 h20 r270; Mechanical 8 "A50" at 2408.72,2752.2 h20 r270; Mechanical 8 "C13" at 3259.62,3700.22 h20 r270; Mechanical 8 "C31" at 3253.09,3520.62 h20 r270; Mechanical 8 "C9" at 3257.21,3738.43 h20 r270; Mechanical 8 "C51" at 3270.32,3320.71 h20 r90; Mechanical 8 "C57" at 3271.28,3271.4 h20 r90; Mechanical 8 "C33" at 3252.37,3506.6 h20 r270; Mechanical 8 "C27" at 3253.34,3562.44 h20 r270; Mechanical 8 "C19" at 3258.9,3646.8 h20 r270; Mechanical 8 "C37" at 3256.48,3465.76 h20 r270; Mechanical 8 "C43" at 3251.17,3404.35 h20 r270; Mechanical 8 "C41" at 3253.59,3427.55 h20 r270; Mechanical 8 "D31" at 2275.59,3513.12 h20 r270; Mechanical 8 "D6" at 2417.66,3780.25 h20 r270; Mechanical 8 "D17" at 2236.92,3652.35 h20 r270; Mechanical 8 "D35" at 2290.58,3469.13 h20 r270; Mechanical 8 "D44" at 2428.05,3409.66 h20 r270; Mechanical 8 "D28" at 2424.91,3566.3 h20 r270; Mechanical 8 "D60" at 2428.29,3251.58 h20 r270; Mechanical 8 "D55" at 2221.21,3271.64 h20 r270; Mechanical 8 "A52" at 2451.5,2770.81 h20 r270; Mechanical 8 "A60" at 2450.05,2847.91 h20 r270; Mechanical 8 "D58" at 2432.39,3276.24 h20 r270; Mechanical 8 "D42" at 2427.81,3426.35 h20 r270; Mechanical 8 "D30" at 2426.84,3544.07 h20 r270; Mechanical 8 "D29" at 2232.34,3528.83 h20 r270; Mechanical 8 "D38" at 2428.77,3470.82 h20 r270; Mechanical 8 "D36" at 2426.6,3483.87 h20 r270; Mechanical 8 "D12" at 2425.64,3726.07 h20 r270; Mechanical 8 "A2" at 2444.73,2263.22 h20 r270; Mechanical 8 "B60" at 3439.64,2889.73 h20 r270; Mechanical 8 "B26" at 3444.23,2541.42 h20 r270; Mechanical 8 "B45" at 3238.37,2716.66 h20 r270; Mechanical 8 "B53" at 3233.05,2797.63 h20 r270; Mechanical 8 "B40" at 3427.79,2678.95 h20 r270; Mechanical 8 "C60" at 3415.95,3246.74 h20 r270; Mechanical 8 "C40" at 3423.2,3442.05 h20 r270; Mechanical 8 "C34" at 3422.24,3504.42 h20 r270; Mechanical 8 "C28" at 3419.82,3561.47 h20 r270; Mechanical 8 "C12" at 3404.84,3722.45 h20 r270; Mechanical 8 "C14" at 3405.8,3704.07 h20 r270; Mechanical 8 "C5" at 3259.38,3782.66 h20 r270; Mechanical 8 "D33" at 2231.84,3489.43 h20 r270; Mechanical 8 "C25" at 3249.23,3585.65 h20 r270; Mechanical 8 "C11" at 3257.93,3719.32 h20 r270; Mechanical 8 "C17" at 3262.04,3665.65 h20 r270; Mechanical 8 "C39" at 3256.98,3438.67 h20 r270; Mechanical 8 "C47" at 3250.69,3363.74 h20 r270; Mechanical 8 "C53" at 3269.82,3312.01 h20 r90; Mechanical 8 "C7" at 3258.42,3760.67 h20 r270; Mechanical 8 "C55" at 3268.86,3288.8 h20 r90; Mechanical 8 "B57" at 3245.85,2839.45 h20 r270; Mechanical 8 "C23" at 3252.85,3605.22 h20 r270; Mechanical 8 "B59" at 3278.74,2851.78 h20 r270; Mechanical 8 "C45" at 3253.1,3388.39 h20 r270; Mechanical 8 "C21" at 3261.31,3620.21 h20 r270; Mechanical 8 "C3" at 3257.94,3804.66 h20 r270; Mechanical 8 "B43" at 3279.46,2686.45 h20 r270; Mechanical 8 "B41" at 3239.09,2686.2 h20 r270; Mechanical 8 "C18" at 3414.99,3662.5 h20 r270; Mechanical 8 "C16" at 3407.73,3681.84 h20 r270; Mechanical 8 "C54" at 3418.37,3305.72 h20 r270; Mechanical 8 "C56" at 3422.24,3293.16 h20 r270; Mechanical 8 "C50" at 3426.1,3346.82 h20 r270; Mechanical 8 "C42" at 3421.26,3420.3 h20 r270; Mechanical 8 "C59" at 3272.25,3250.13 h20 r90; Mechanical 8 "C49" at 3251.67,3344.4 h20 r270; Mechanical 8 "C29" at 3254.06,3545.04 h20 r270; Mechanical 8 "C35" at 3256.97,3480.25 h20 r270; Mechanical 8 "C1" at 3260.59,3821.34 h20 r270; Mechanical 8 "C15" at 3260.59,3679.66 h20 r270; Mechanical 8 "D2" at 2415.97,3815.54 h20 r270; Mechanical 8 "D4" at 2419.35,3798.61 h20 r270; Mechanical 8 "D10" at 2422.73,3744.45 h20 r270; Mechanical 8 "D8" at 2423.69,3764.05 h20 r270; Mechanical 8 "C38" at 3423.69,3462.84 h20 r270; Mechanical 8 "C36" at 3422.24,3486.05 h20 r270; Mechanical 8 "C32" at 3419.34,3523.27 h20 r270; Mechanical 8 "C30" at 3418.85,3546.96 h20 r270; Mechanical 8 "C26" at 3415.95,3587.09 h20 r270; Mechanical 8 "C24" at 3418.37,3603.53 h20 r270; Mechanical 8 "C22" at 3396.13,3624.31 h20 r270; Mechanical 8 "C20" at 3412.57,3644.13 h20 r270; Mechanical 8 "D13" at 2228.71,3685.95 h20 r270; Mechanical 8 "D9" at 2269.32,3741.33 h20 r270; Mechanical 8 "D5" at 2266.9,3782.66 h20 r270; Mechanical 8 "D1" at 2265.94,3827.37 h20 r270; Mechanical 8 "D15" at 2285.51,3677.98 h20 r270; Mechanical 8 "D11" at 2283.57,3713.27 h20 r270; Mechanical 8 "D7" at 2264.48,3764.53 h20 r270; Mechanical 8 "A25" at 2248.54,2516.04 h20 r270; Mechanical 8 "D3" at 2266.66,3813.11 h20 r270; Mechanical 8 "A56" at 2454.88,2808.76 h20 r270; Mechanical 8 "A59" at 2243.94,2855.16 h20 r270; Mechanical 8 "A57" at 2277.54,2831.72 h20 r270; Mechanical 8 "A55" at 2245.39,2815.76 h20 r270; Mechanical 8 "A53" at 2284.79,2799.57 h20 r270; Mechanical 8 "B55" at 3275.83,2800.53 h20 r270; Mechanical 8 "B58" at 3402.89,2859.03 h20 r270; Mechanical 8 "B56" at 3433.35,2851.78 h20 r270; Mechanical 8 "B54" at 3409.66,2815.28 h20 r270; Mechanical 8 "B52" at 3420.78,2801.27 h20 r270; Mechanical 8 "B50" at 3403.87,2781.45 h20 r270; Mechanical 8 "B48" at 3427.07,2763.79 h20 r270; Mechanical 8 "B46" at 3410.87,2736.96 h20 r270; Mechanical 8 "B44" at 3422.24,2719.08 h20 r270; Mechanical 8 "D22" at 2428.77,3623.83 h20 r270; Mechanical 8 "B42" at 3414.26,2699.26 h20 r270; Mechanical 8 "D24" at 2425.63,3604.98 h20 r270; Mechanical 8 "D19" at 2285.51,3636.39 h20 r270; Mechanical 8 "B22" at 3444.23,2494.04 h20 r270; Mechanical 8 "B24" at 3398.79,2520.62 h20 r270; Mechanical 8 "B10" at 3447.13,2361.82 h20 r270; Mechanical 8 "D27" at 2280.19,3554.22 h20 r270; Mechanical 8 "B4" at 3401.93,2316.4 h20 r270; Mechanical 8 "B2" at 3446.41,2296.58 h20 r270; Mechanical 8 "D16" at 2429.5,3684.5 h20 r270; Mechanical 8 "B38" at 3420.31,2660.34 h20 r270; Mechanical 8 "B36" at 3405.08,2639.32 h20 r270; Mechanical 8 "B34" at 3439.4,2621.66 h20 r270; Mechanical 8 "B30" at 3430.7,2591.69 h20 r270; Mechanical 8 "B32" at 3403.63,2609.1 h20 r270; Mechanical 8 "B28" at 3406.52,2574.77 h20 r270; Mechanical 8 "D21" at 2234.99,3612.71 h20 r270; Mechanical 8 "D25" at 2230.65,3573.31 h20 r270; Mechanical 8 "C4" at 3400.96,3802.48 h20 r270; Mechanical 8 "C2" at 3401.45,3813.59 h20 r270; Mechanical 8 "C10" at 3402.41,3743.72 h20 r270; Mechanical 8 "C8" at 3402.41,3757.52 h20 r270; Mechanical 8 "C6" at 3402.89,3779.76 h20 r270; Mechanical 8 "A54" at 2423.21,2791.84 h20 r270; Mechanical 8 "D23" at 2285.27,3592.16 h20 r270; Mechanical 8 "D40" at 2426.12,3448.34 h20 r270; Mechanical 8 "D34" at 2427.32,3498.86 h20 r270; Mechanical 8 "D32" at 2424.91,3521.34 h20 r270; Mechanical 8 "A4" at 2449.09,2286.43 h20 r270; Mechanical 8 "A6" at 2449.33,2312.78 h20 r270; Mechanical 8 "A8" at 2447.14,2341.3 h20 r270; Mechanical 8 "A10" at 2446.42,2359.4 h20 r270; Mechanical 8 "A12" at 2419.35,2377.53 h20 r270; Mechanical 8 "A14" at 2456.82,2406.3 h20 r270; Mechanical 8 "A16" at 2421.52,2412.34 h20 r270; Mechanical 8 "A18" at 2444.01,2434.95 h20 r270; Mechanical 8 "A20" at 2412.82,2457.18 h20 r270; Mechanical 8 "A22" at 2440.63,2464.91 h20 r270; Mechanical 8 "A24" at 2426.6,2485.47 h20 r270; Mechanical 8 "A26" at 2441.83,2501.65 h20 r270; Mechanical 8 "B20" at 3397.82,2478.56 h20 r270; Mechanical 8 "A28" at 2420.07,2523.53 h20 r270; Mechanical 8 "B18" at 3442.78,2460.68 h20 r270; Mechanical 8 "A30" at 2449.33,2544.31 h20 r270; Mechanical 8 "B14" at 3422.84,2405.85 h20 r270; Mechanical 8 "A32" at 2424.67,2564.37 h20 r270; Mechanical 8 "B12" at 3399.03,2382.85 h20 r270; Mechanical 8 "A34" at 2448.35,2591.94 h20 r270; Mechanical 8 "B8" at 3395.65,2356.53 h20 r270; Mechanical 8 "D57" at 2293.73,3252.06 h20 r270; Mechanical 8 "D56" at 2431.43,3290.02 h20 r270; Mechanical 8 "D54" at 2429.26,3312.49 h20 r270; Mechanical 8 "D52" at 2430.95,3328.69 h20 r270; Mechanical 8 "D50" at 2430.22,3348.52 h20 r270; Mechanical 8 "D48" at 2430.7,3369.3 h20 r270; Mechanical 8 "D46" at 2431.19,3389.12 h20 r270; Mechanical 8 "D26" at 2425.39,3583.7 h20 r270; Mechanical 8 "D53" at 2268.59,3290.74 h20 r270; Mechanical 8 "D45" at 2228.71,3370.51 h20 r270; Mechanical 8 "D41" at 2232.57,3406.04 h20 r270; Mechanical 8 "D39" at 2291.55,3426.11 h20 r270; Mechanical 8 "D43" at 2289.87,3385.98 h20 r270; Mechanical 8 "D51" at 2235.24,3309.11 h20 r270; Mechanical 8 "D49" at 2290.34,3327 h20 r270; Mechanical 8 "D47" at 2261.1,3352.14 h20 r270; Mechanical 8 "D37" at 2228.71,3450.52 h20 r270; Mechanical 8 "D59" at 2256.02,3224.99 h20 r270; Mechanical 8 "D20" at 2431.43,3642.68 h20 r270; Mechanical 8 "D18" at 2424.43,3663.23 h20 r270; Mechanical 8 "D14" at 2423.21,3702.38 h20 r270; Mechanical 8 "C58" at 3428.03,3268.5 h20 r270; Mechanical 8 "B19" at 3229.91,2458.26 h20 r270; Mechanical 8 "B17" at 3273.41,2422.73 h20 r270; Mechanical 8 "B51" at 3274.38,2762.83 h20 r270; Mechanical 8 "B49" at 3230.63,2757.02 h20 r270; Mechanical 8 "B47" at 3279.46,2731.89 h20 r270; Mechanical 8 "B39" at 3230.63,2645.11 h20 r270; Mechanical 8 "B37" at 3284.77,2638.1 h20 r270; Mechanical 8 "B33" at 3276.31,2581.3 h20 r270; Mechanical 8 "B31" at 3238.13,2558.1 h20 r270; Mechanical 8 "B29" at 3275.59,2558.1 h20 r270; Mechanical 8 "B27" at 3239.57,2534.16 h20 r270; Mechanical 8 "B15" at 3234.25,2414.76 h20 r270; Mechanical 8 "B13" at 3277.52,2386.48 h20 r270; Mechanical 8 "B11" at 3244.65,2362.07 h20 r270; Mechanical 8 "B9" at 3291.82,2355.08 h20 r90; Mechanical 8 "B7" at 3259.43,2330.18 h20 r90; Mechanical 8 "B5" at 3290.13,2313.5 h20 r90; Mechanical 8 "B3" at 3255.81,2295.13 h20 r90; Mechanical 8 "B1" at 3301.73,2285.95 h20 r90; Mechanical 8 "B25" at 3259.87,2501.29 h20 r270; Mechanical 8 "B23" at 3228.22,2495.5 h20 r270; Mechanical 8 "B21" at 3283.57,2484.85 h20 r270; Mechanical 8 "A43" at 2239.82,2699.26 h20 r270; Mechanical 8 "A45" at 2288.17,2717.39 h20 r270; Mechanical 8 "A47" at 2245.15,2733.57 h20 r270; Mechanical 8 "A51" at 2244.42,2776.37 h20 r270; Mechanical 8 "A49" at 2285.76,2766.94 h20 r270; Mechanical 8 "A3" at 2275.36,2312.53 h20 r270; Mechanical 8 "A5" at 2276.33,2333.56 h20 r270; Mechanical 8 "A7" at 2278.02,2348.79 h20 r270; Mechanical 8 "A9" at 2281.41,2367.16 h20 r270; Mechanical 8 "A11" at 2281.89,2376.32 h20 r270; Mechanical 8 "A13" at 2260.37,2378.5 h20 r270; Mechanical 8 "A15" at 2278.26,2405.09 h20 r270; Mechanical 8 "A17" at 2255.78,2427.08 h20 r270; Mechanical 8 "A19" at 2285.51,2452.7 h20 r270; Mechanical 8 "A21" at 2239.82,2475.91 h20 r270; Mechanical 8 "A23" at 2282.62,2488.97 h20 r270; Mechanical 8 "A41" at 2287.69,2679.68 h20 r270; Mechanical 8 "A39" at 2244.42,2662.27 h20 r270; Mechanical 8 "A37" at 2286.48,2642.7 h20 r270; Mechanical 8 "A35" at 2245.39,2621.18 h20 r270; Mechanical 8 "A33" at 2243.7,2585.17 h20 r270; Mechanical 8 "A31" at 2294.46,2577.91 h20 r270; Mechanical 8 "A29" at 2257.72,2541.18 h20 r270; Mechanical 8 "A27" at 2290.58,2536.58 h20 r270
CM4A: Top Overlay "Wireless" at 4425,1900 h110.24 r180
ESD1: Mechanical 7 "1" at 3327.4,3348.78 h30 r270; Mechanical 7 "6" at 3327.4,3447.2 h30 r270; Mechanical 7 "4" at 3252.6,3447.2 h30 r270; Mechanical 7 "3" at 3252.6,3348.78 h30 r270; Mechanical 7 "2" at 3291.97,3348.78 h30 r270; Mechanical 7 "5" at 3291.97,3447.2 h30 r270
ESD2: Mechanical 7 "1" at 3327.4,3526.54 h30 r270; Mechanical 7 "6" at 3327.4,3624.96 h30 r270; Mechanical 7 "4" at 3252.6,3624.96 h30 r270; Mechanical 7 "3" at 3252.6,3526.54 h30 r270; Mechanical 7 "2" at 3291.97,3526.54 h30 r270; Mechanical 7 "5" at 3291.97,3624.96 h30 r270
JTAG: Top Overlay "1" at 1987.62,4146.4 h30 r45; Top Overlay "2" at 1916.91,4210.04 h30 r45; Top Overlay "13" at 2510.88,4669.66 h30 r45; Top Overlay "14" at 2440.16,4740.37 h30 r45; Mechanical 10 "2" at 1955.8,4277.22 h30 r45; Mechanical 10 "1" at 2026.51,4206.51 h30 r45; Mechanical 10 "7" at 2238.64,4418.64 h30 r45; Mechanical 10 "3" at 2097.22,4277.22 h30 r45; Mechanical 10 "9" at 2309.35,4489.35 h30 r45; Mechanical 10 "11" at 2372.99,4552.99 h30 r45; Mechanical 10 "14" at 2372.99,4694.41 h30 r45; Mechanical 10 "13" at 2443.7,4623.7 h30 r45; Mechanical 10 "5" at 2167.93,4347.93 h30 r45; Mechanical 10 "12" at 2302.28,4623.7 h30 r45; Mechanical 10 "10" at 2231.57,4552.99 h30 r45; Mechanical 10 "8" at 2167.93,4489.35 h30 r45; Mechanical 10 "4" at 2026.51,4347.93 h30 r45
LINGXIAO: Top Overlay "LED" at 4258.13,4731.13 h86.61 r225
SD: Top Overlay "k" at 3470.63,1526.61 h30; Top Overlay "8" at 3520.61,1526.61 h30; Top Overlay "7" at 3564.61,1526.61 h30; Top Overlay "6" at 3606.61,1526.61 h30; Top Overlay "5" at 3648.61,1526.61 h30; Top Overlay "4" at 3690.61,1526.61 h30; Top Overlay "3" at 3737.61,1526.61 h30; Top Overlay "2" at 3779.61,1526.61 h30; Top Overlay "1" at 3822.61,1526.61 h30
USB0: Bottom Overlay "GND" at 5335,3905.63 h40 r180; Bottom Overlay "D+" at 5335,4005.63 h40 r180; Bottom Overlay "D-" at 5465,3985.63 h40 r180; Bottom Overlay "VCC" at 5335,4185.63 h40 r180; Bottom Overlay "USB-A" at 5666.97,3890.59 h30 r270
USB1: Bottom Overlay "GND" at 5338.31,3213.66 h40 r180; Bottom Overlay "D+" at 5338.31,3313.66 h40 r180; Bottom Overlay "D-" at 5338.31,3403.66 h40 r180; Bottom Overlay "VCC" at 5338.31,3493.66 h40 r180; Bottom Overlay "USB-A" at 5670.28,3198.62 h30 r270
USB2: Bottom Overlay "USB-A" at 5670.28,2506.3 h30 r270; Bottom Overlay "VCC" at 5338.31,2801.34 h40 r180; Bottom Overlay "D-" at 5338.31,2711.34 h40 r180; Bottom Overlay "D+" at 5338.31,2621.34 h40 r180; Bottom Overlay "GND" at 5338.31,2521.34 h40 r180
USB3: Bottom Overlay "USB-A" at 5666.97,1819.96 h30 r270; Bottom Overlay "VCC" at 5335,2115 h40 r180; Bottom Overlay "D-" at 5335,2025 h40 r180; Bottom Overlay "D+" at 5335,1935 h40 r180; Bottom Overlay "GND" at 5335,1835 h40 r180